# Altium PCB mantarray_beta2_sensor.PcbDoc (part 1 of 5) (continued)
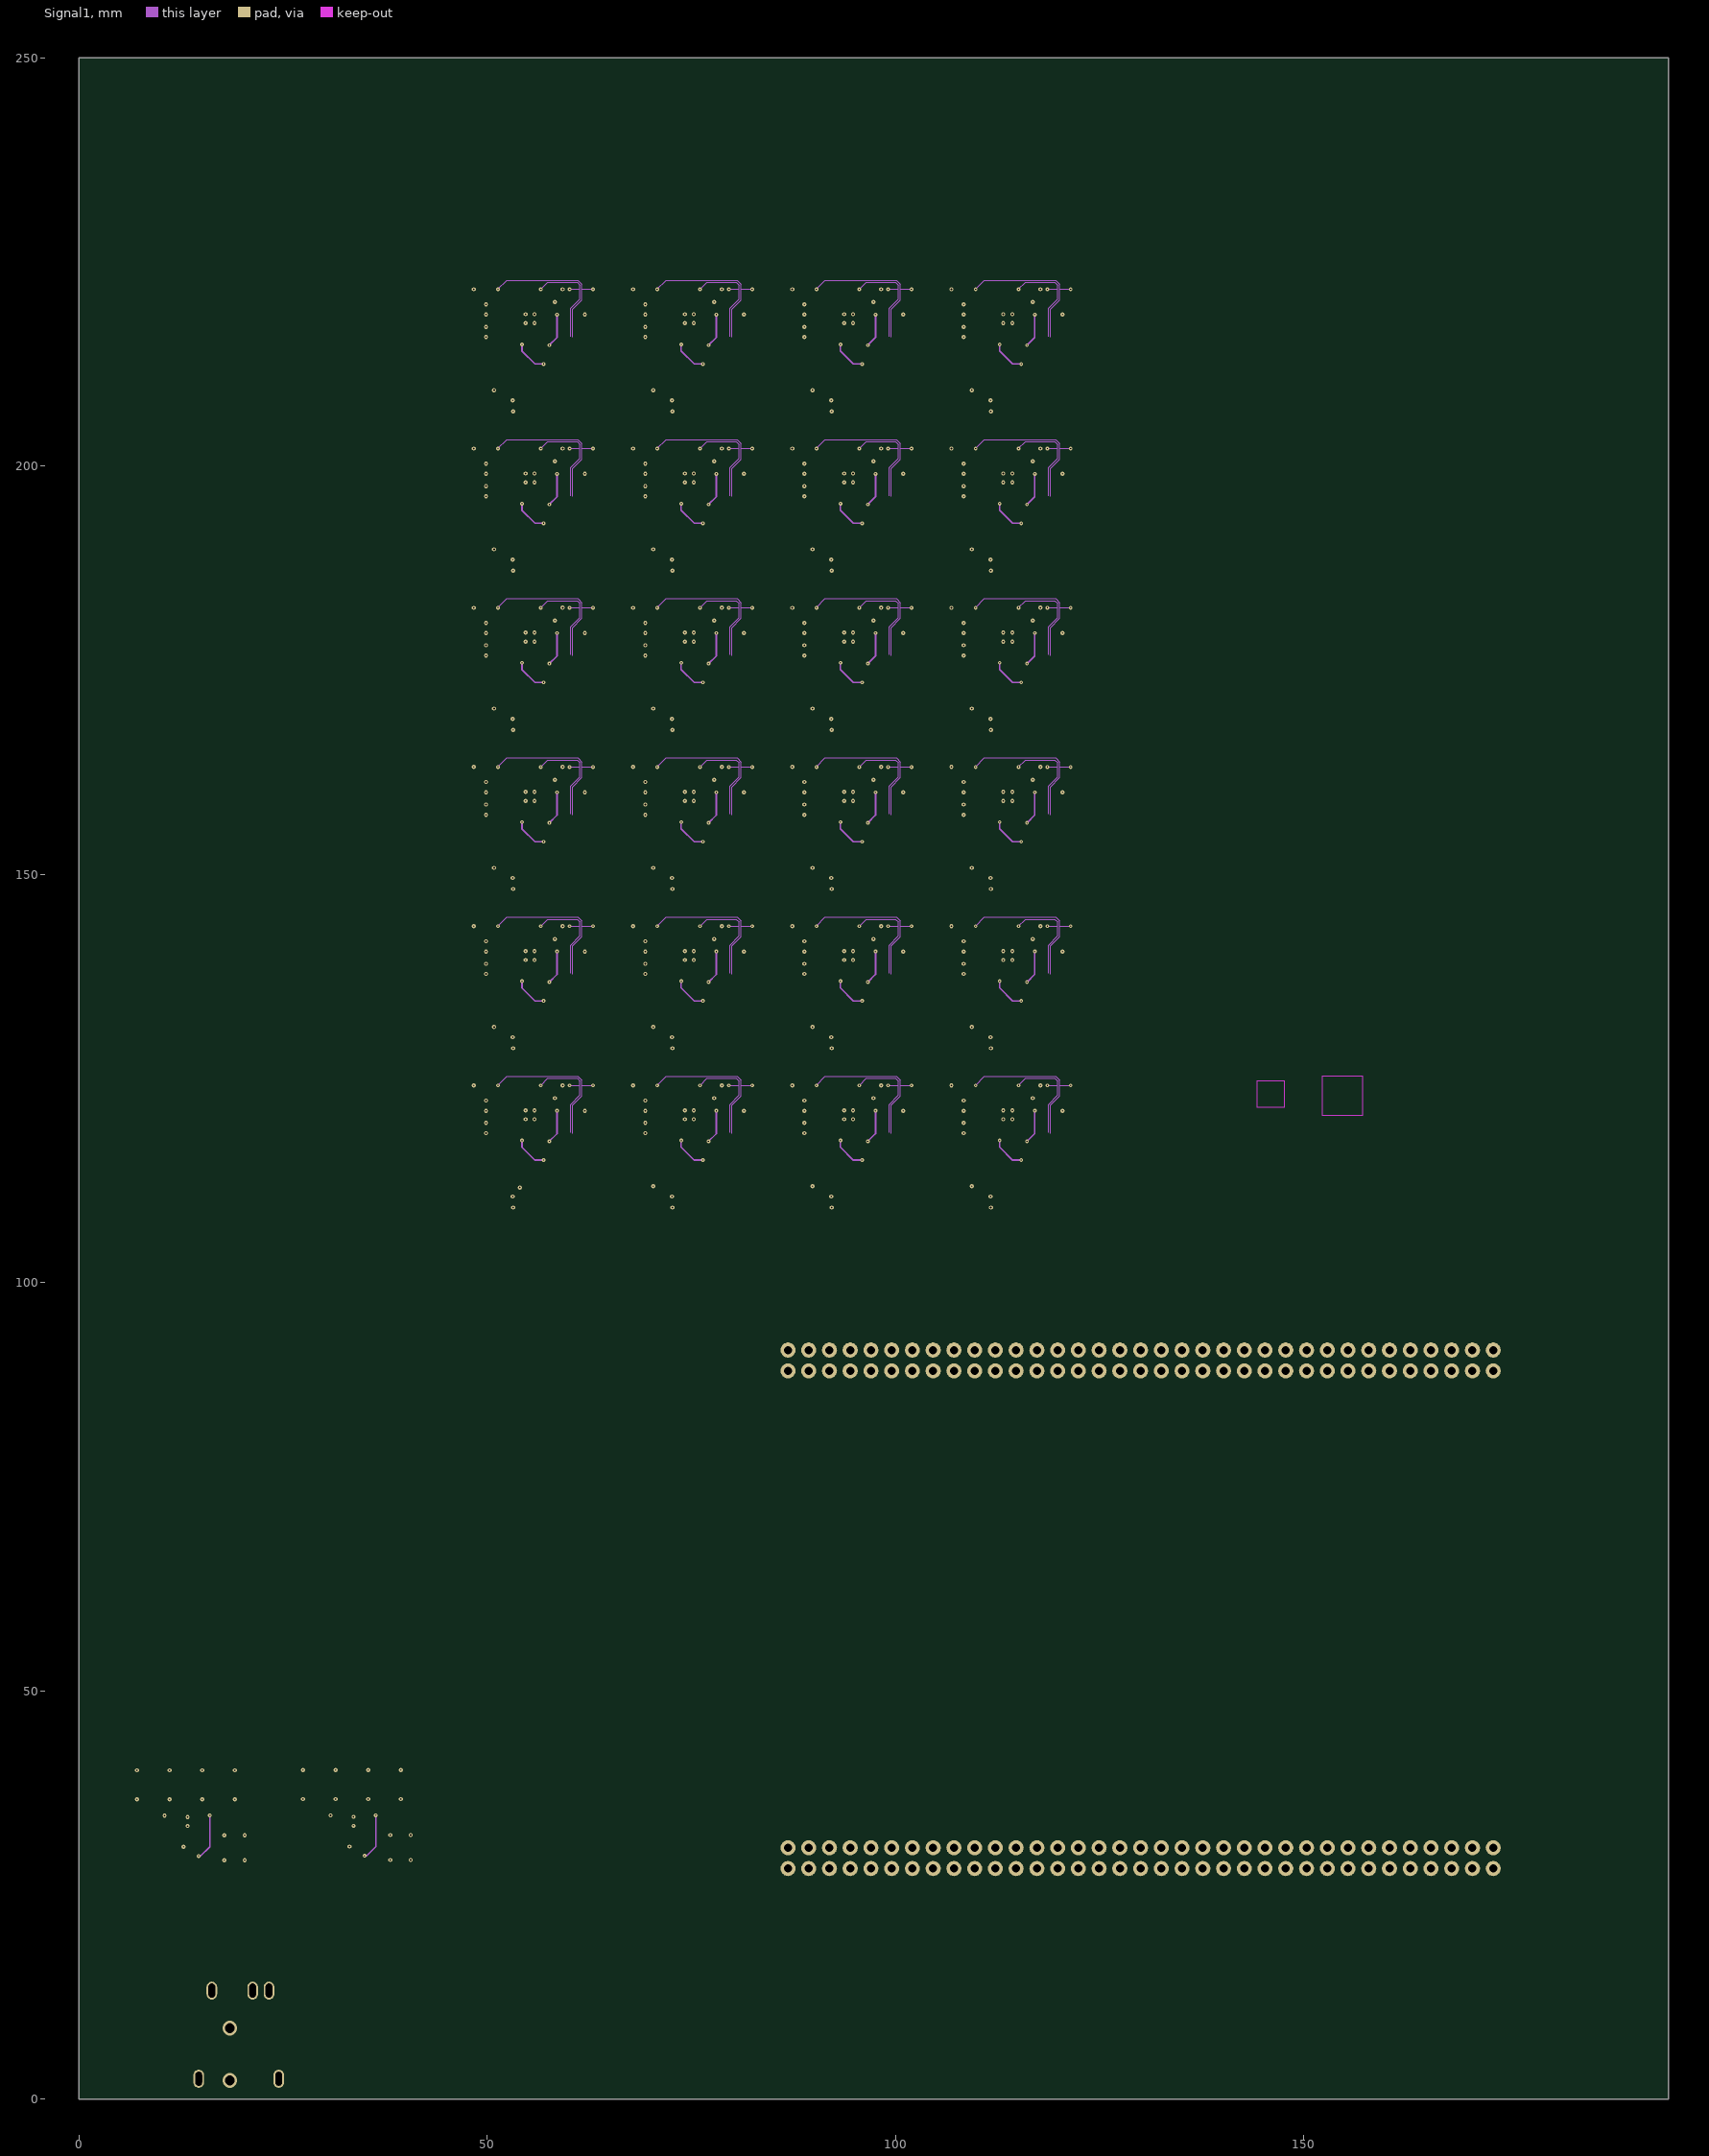
[diagram p3: Signal1]
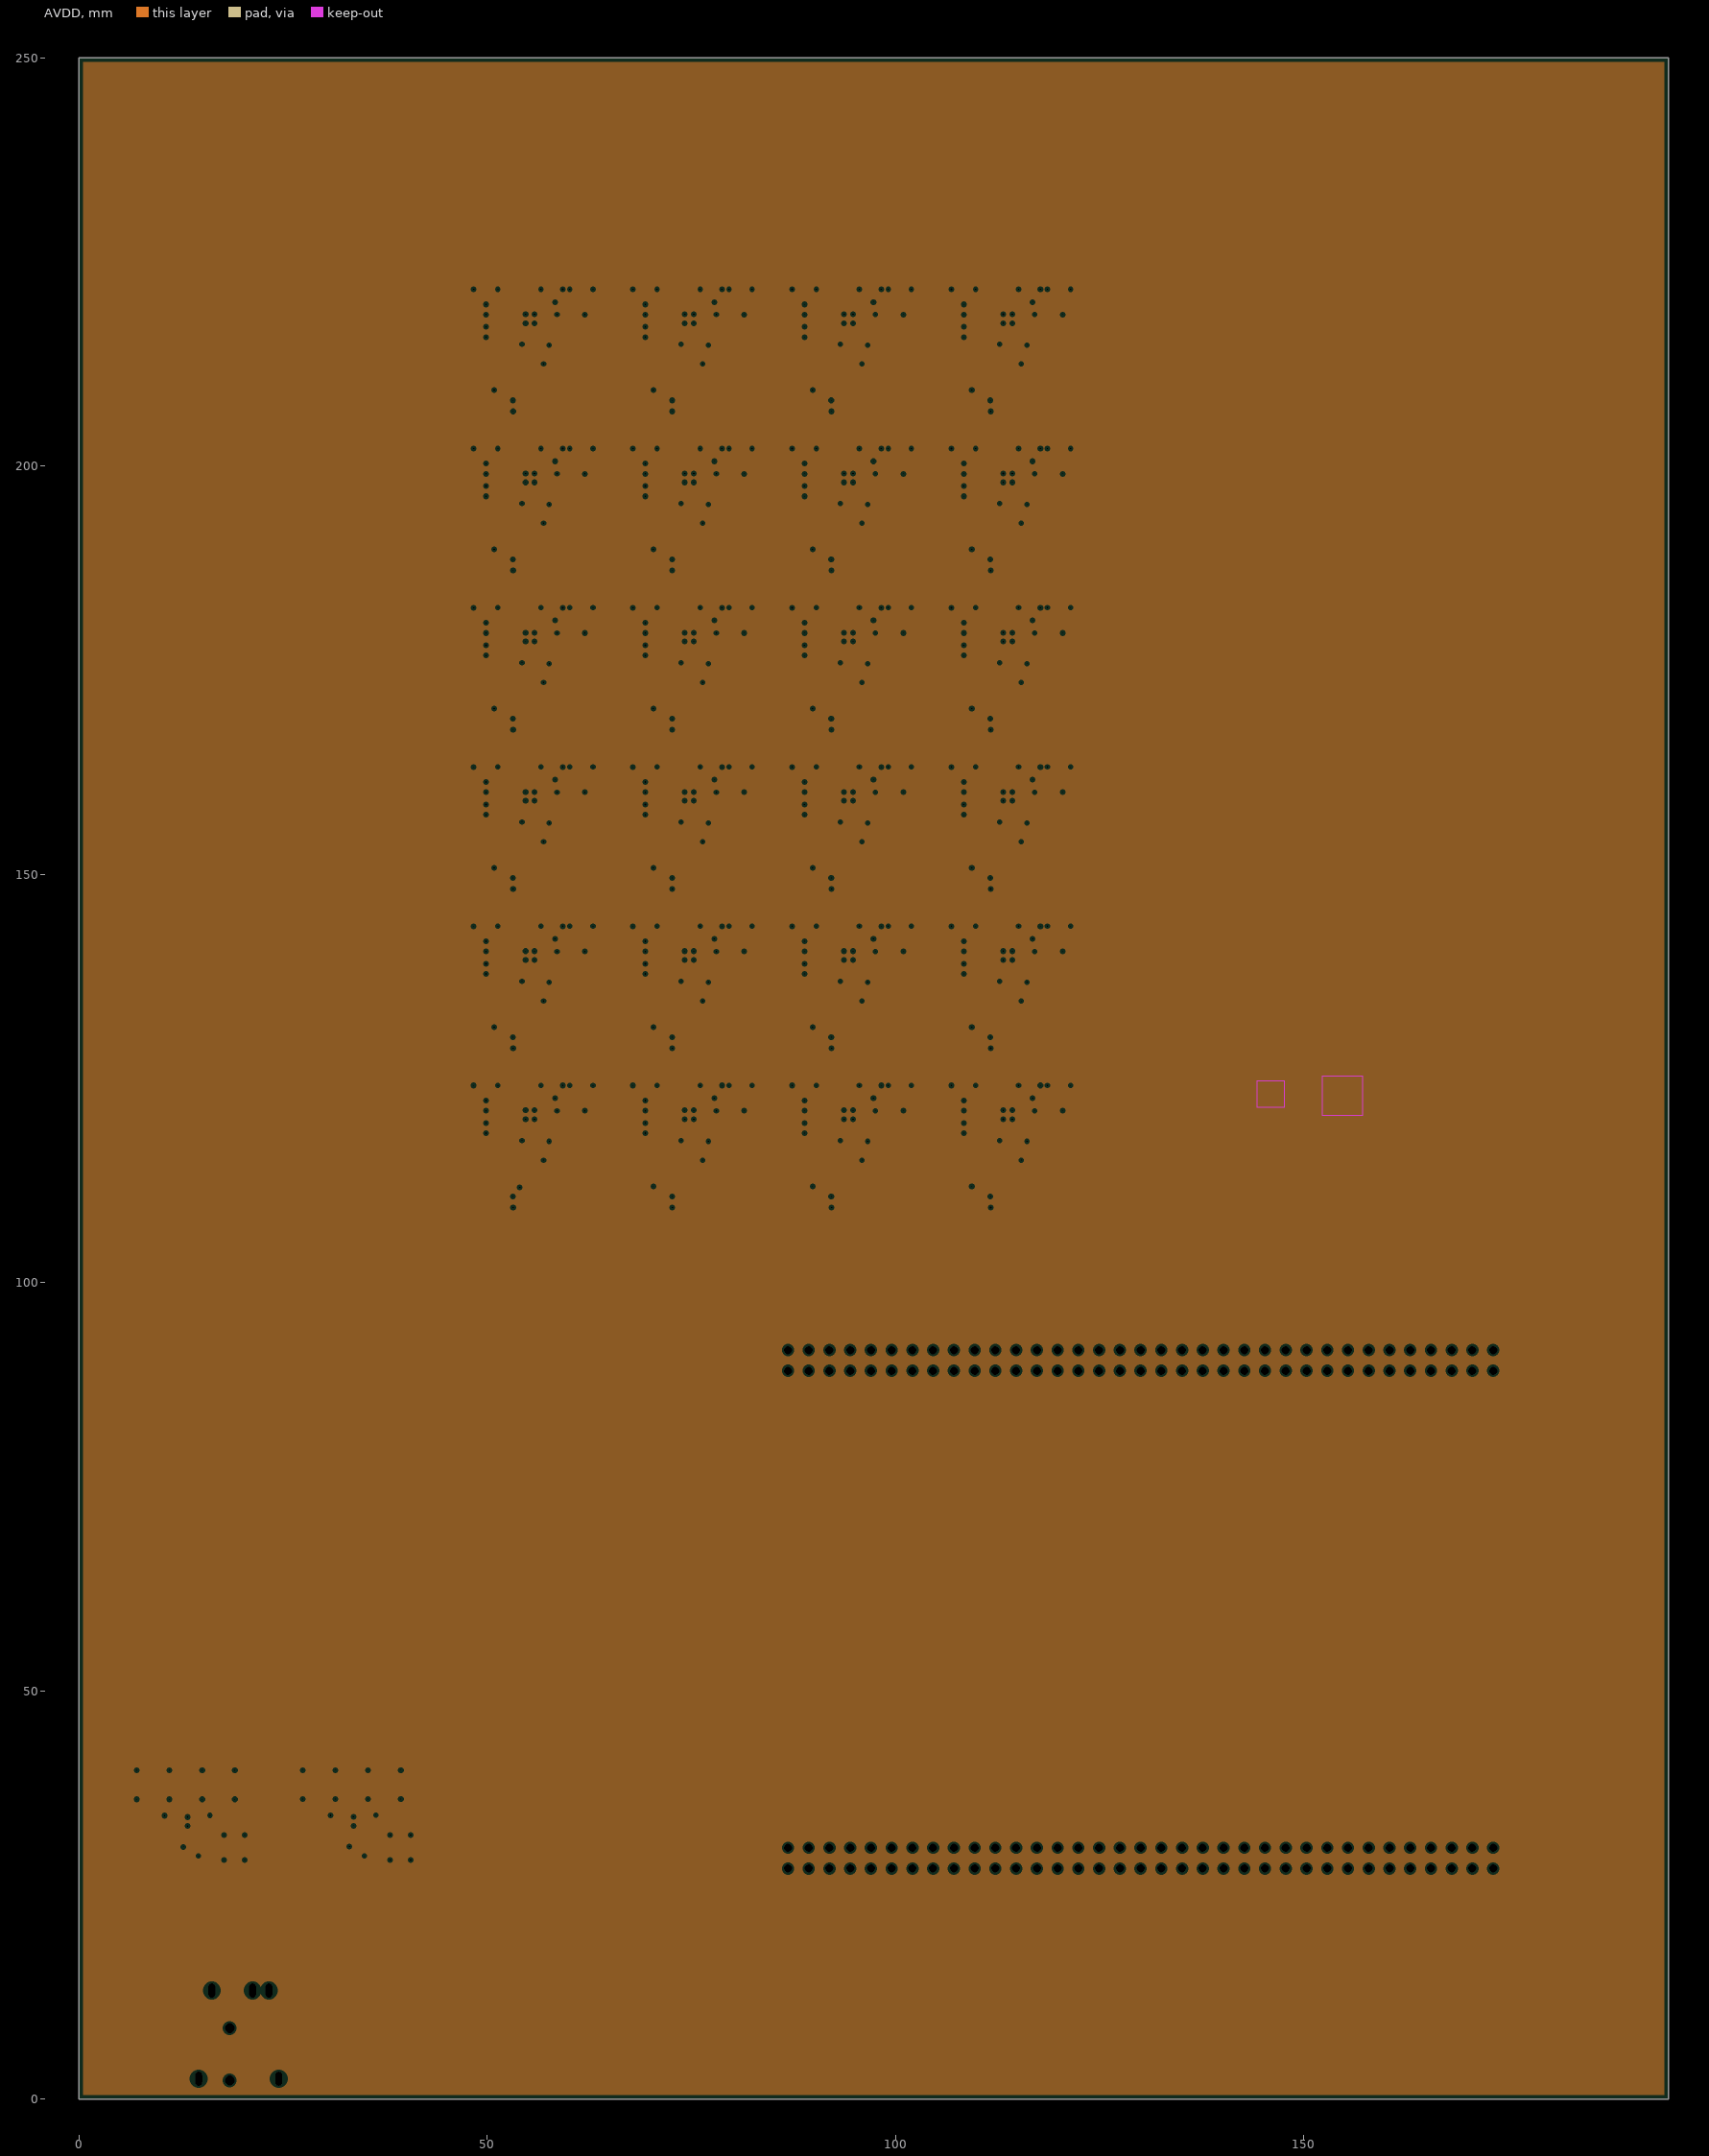
[diagram p4: AVDD, clearances drawn from the general rule]

## Layer stack, top to bottom
Top Solder: solder mask 0.0254, SM-001, Dk 4
Top Layer: signal copper 0.035
Dielectric 1: prepreg 0.0711, PP-006, Dk 4.1
Dielectric 2: prepreg 0.0711, PP-006, Dk 4.1
GND1: plane copper 0.035
Dielectric 3: core 0.4572, Core-035, Dk 4.7
Signal1: signal copper 0.035
Dielectric 4: prepreg 0.0711, PP-006, Dk 4.1
Dielectric 5: prepreg 0.0711, PP-006, Dk 4.1
Int3 (Sign): signal copper 0.035
Dielectric 6: core 0.4572, Core-035, Dk 4.7
AVDD: plane copper 0.035
Dielectric 7: prepreg 0.0711, PP-006, Dk 4.1
Dielectric 8: prepreg 0.0711, PP-006, Dk 4.1
Bottom Layer: signal copper 0.035
Bottom Solder: solder mask 0.0254, SM-001, Dk 4

## Board outline
0,0 194.65,0 194.65,250 0,250

## Design rules (kind name [scope] priority, off if disabled: settings)
Clearance "Clearance SPI CMOS" [InNetClass('SPI CMOS') vs InNetClass('SPI CMOS')] p1: gap=0.127 ignorepadtopadclearanceinfootprint=TRUE
Clearance [All] p2: gap=0.127 ignorepadtopadclearanceinfootprint=FALSE
DiffPairsRouting [All] p1: maxlimit=1.27 minlimit=0.127 mostfreqgap=0.127 toplayer_minwidth=0.127 toplayer_maxwidth=0.254 toplayer_prefwidth=0.127 midlayer1_minwidth=0.127 midlayer1_maxwidth=0.254 midlayer1_prefwidth=0.127 midlayer2_minwidth=0.127 midlayer2_maxwidth=0.254 midlayer2_prefwidth=0.127 bottomlayer_minwidth=0.127 bottomlayer_maxwidth=0.254 bottomlayer_prefwidth=0.127 maxuncoupledlength=25.4
HoleSize [All] p1: absolutevalues=TRUE maxlimit=5.08 minlimit=0.127 maxpercent=80.000 minpercent=20.000
MinimumAnnularRing [All] p1: minimumring=0.1
MinimumSolderMaskSliver SoldermaskSliver_pad [InPadClass('All Pads') vs InPadClass('All Pads')] p1: minsoldermaskwidth=0.025
MinimumSolderMaskSliver [All] p2: minsoldermaskwidth=0.025
PlaneClearance [All] p1: clearance=0.254
PlaneConnect [All] p1: planeconnectstyle=Direct reliefexpansion=0.508 reliefentries=4 reliefconductorwidth=0.254 reliefairgap=0.254
PolygonConnect PolygonConnect_1 [All vs IsNamedPolygon('GND_L01_P047')] p1: thpad.connectstyle=Direct thpad.reliefconductorwidth=0.254 thpad.reliefentries=4 thpad.polygonreliefangle="90 Angle" thpad.airgapwidth=0.254 smdpad.connectstyle=Direct smdpad.reliefconductorwidth=0.254 smdpad.reliefentries=4 smdpad.polygonreliefangle="90 Angle" smdpad.airgapwidth=0.254 via.connectstyle=Relief via.reliefconductorwidth=0.254 via.reliefentries=4 via.polygonreliefangle="90 Angle" via.airgapwidth=0.254
PolygonConnect [All] p2: connectstyle=Direct reliefconductorwidth=0.254 reliefentries=4 polygonreliefangle="90 Angle" airgapwidth=0.254
RoomDefinition CH17 [InComponentClass('CH17')] p1: confinementstyle=ConfineIn formatcopy=TRUE lockcomponents=FALSE outline 46,185.8 65.5,185.8 65.5,205.3 46,205.3
RoomDefinition CH18 [InComponentClass('CH18')] p2: confinementstyle=ConfineIn formatcopy=TRUE lockcomponents=FALSE outline 65.5,185.8 85,185.8 85,205.3 65.5,205.3
RoomDefinition CH19 [InComponentClass('CH19')] p3: confinementstyle=ConfineIn formatcopy=TRUE lockcomponents=FALSE outline 85,185.8 104.5,185.8 104.5,205.3 85,205.3
RoomDefinition CH20 [InComponentClass('CH20')] p4: confinementstyle=ConfineIn formatcopy=TRUE lockcomponents=FALSE outline 104.5,185.8 124,185.8 124,205.3 104.5,205.3
RoomDefinition STM32H745 [InComponentClass('STM32H745')] p5: confinementstyle=ConfineIn formatcopy=TRUE lockcomponents=FALSE outline 79.02,24.45 180.69,24.45 180.69,94.84 79.02,94.84
RoomDefinition CH24 [InComponentClass('CH24')] p6: confinementstyle=ConfineIn formatcopy=TRUE lockcomponents=FALSE outline 46,205.3 65.5,205.3 65.5,224.8 46,224.8
RoomDefinition CH23 [InComponentClass('CH23')] p7: confinementstyle=ConfineIn formatcopy=TRUE lockcomponents=FALSE outline 65.5,205.3 85,205.3 85,224.8 65.5,224.8
RoomDefinition CH22 [InComponentClass('CH22')] p8: confinementstyle=ConfineIn formatcopy=TRUE lockcomponents=FALSE outline 85,205.3 104.5,205.3 104.5,224.8 85,224.8
RoomDefinition CH21 [InComponentClass('CH21')] p9: confinementstyle=ConfineIn formatcopy=TRUE lockcomponents=FALSE outline 104.5,205.3 124,205.3 124,224.8 104.5,224.8
RoomDefinition CH16 [InComponentClass('CH16')] p10: confinementstyle=ConfineIn formatcopy=TRUE lockcomponents=FALSE outline 46,166.3 65.5,166.3 65.5,185.8 46,185.8
RoomDefinition CH15 [InComponentClass('CH15')] p11: confinementstyle=ConfineIn formatcopy=TRUE lockcomponents=FALSE outline 65.5,166.3 85,166.3 85,185.8 65.5,185.8
RoomDefinition CH14 [InComponentClass('CH14')] p12: confinementstyle=ConfineIn formatcopy=TRUE lockcomponents=FALSE outline 85,166.3 104.5,166.3 104.5,185.8 85,185.8
RoomDefinition CH13 [InComponentClass('CH13')] p13: confinementstyle=ConfineIn formatcopy=TRUE lockcomponents=FALSE outline 104.5,166.3 124,166.3 124,185.8 104.5,185.8
RoomDefinition CH12 [InComponentClass('CH12')] p14: confinementstyle=ConfineIn formatcopy=TRUE lockcomponents=FALSE outline 104.5,146.8 124,146.8 124,166.3 104.5,166.3
RoomDefinition CH11 [InComponentClass('CH11')] p15: confinementstyle=ConfineIn formatcopy=TRUE lockcomponents=FALSE outline 85,146.8 104.5,146.8 104.5,166.3 85,166.3
RoomDefinition CH10 [InComponentClass('CH10')] p16: confinementstyle=ConfineIn formatcopy=TRUE lockcomponents=FALSE outline 65.5,146.8 85,146.8 85,166.3 65.5,166.3
RoomDefinition CH9 [InComponentClass('CH9')] p17: confinementstyle=ConfineIn formatcopy=TRUE lockcomponents=FALSE outline 46,146.8 65.5,146.8 65.5,166.3 46,166.3
RoomDefinition CH8 [InComponentClass('CH8')] p18: confinementstyle=ConfineIn formatcopy=TRUE lockcomponents=FALSE outline 46,127.3 65.5,127.3 65.5,146.8 46,146.8
RoomDefinition CH7 [InComponentClass('CH7')] p19: confinementstyle=ConfineIn formatcopy=TRUE lockcomponents=FALSE outline 65.5,127.3 85,127.3 85,146.8 65.5,146.8
RoomDefinition CH6 [InComponentClass('CH6')] p20: confinementstyle=ConfineIn formatcopy=TRUE lockcomponents=FALSE outline 85,127.3 104.5,127.3 104.5,146.8 85,146.8
RoomDefinition CH5 [InComponentClass('CH5')] p21: confinementstyle=ConfineIn formatcopy=TRUE lockcomponents=FALSE outline 104.5,127.3 124,127.3 124,146.8 104.5,146.8
RoomDefinition CH4 [InComponentClass('CH4')] p22: confinementstyle=ConfineIn formatcopy=TRUE lockcomponents=FALSE outline 104.5,107.8 124,107.8 124,127.3 104.5,127.3
RoomDefinition CH3 [InComponentClass('CH3')] p23: confinementstyle=ConfineIn formatcopy=TRUE lockcomponents=FALSE outline 85,107.8 104.5,107.8 104.5,127.3 85,127.3
RoomDefinition CH2 [InComponentClass('CH2')] p24: confinementstyle=ConfineIn formatcopy=TRUE lockcomponents=FALSE outline 65.5,107.8 85,107.8 85,127.3 65.5,127.3
RoomDefinition CH1 [InComponentClass('CH1')] p25: confinementstyle=ConfineIn formatcopy=TRUE lockcomponents=FALSE outline 46,107.8 65.5,107.8 65.5,127.3 46,127.3
RoomDefinition AVDD [InComponentClass('AVDD')] p26: confinementstyle=ConfineIn formatcopy=TRUE lockcomponents=FALSE outline 24.925,27.7 42.225,27.7 42.225,41.55 24.925,41.55
RoomDefinition DVDD [InComponentClass('DVDD')] p27: confinementstyle=ConfineIn formatcopy=TRUE lockcomponents=FALSE outline 4.599,27.675 21.899,27.675 21.899,41.525 4.599,41.525
RoutingVias PowerVias [InNetClass('POWER')] p1: holewidth=0.203 width=0.508 viastyle="Through Hole" minholewidth=0.203 minwidth=0.508 maxholewidth=0.203 maxwidth=1.27
RoutingVias [All] p2: holewidth=0.127 width=0.457 viastyle="Through Hole" minholewidth=0.127 minwidth=0.457 maxholewidth=0.5 maxwidth=1
SilkToSolderMaskClearance [IsPad] p1: minsilkscreentomaskgap=0.127 clearancetoexposedcopper=TRUE
SolderMaskExpansion [All] p1: expansion=0.127 istentingtop=FALSE
Width [All] p1: maxlimit=2 minlimit=0.127 preferedwidth=0.127
Width "SPI routing" [InNetClass('SPI CMOS')] p2: maxlimit=0.127 minlimit=0.127 preferedwidth=0.127
Width "Power width" [InNetClass('POWER')] p3: maxlimit=1.016 minlimit=0.203 preferedwidth=0.203
23 further rules are at their usual default settings.

## Classes and differential pairs
component class STM32H745: CN0 CN1 CN? HW? SB?
component class CH24: C1_CH24 C2_CH24 C3_CH24 C4_CH24 C5_CH24 C6_CH24 C7_CH24 C8_CH24 D1_CH24 L1_CH24 R1_CH24 R2_CH24 R3_CH24 R4_CH24 R5_CH24 R7_CH24 R8_CH24 R9_CH24 U1_CH24 U3_CH24
component class CH23: C1_CH23 C2_CH23 C3_CH23 C4_CH23 C5_CH23 C6_CH23 C7_CH23 C8_CH23 D1_CH23 L1_CH23 R1_CH23 R2_CH23 R3_CH23 R4_CH23 R5_CH23 R7_CH23 R8_CH23 R9_CH23 U1_CH23 U3_CH23
component class CH22: C1_CH22 C2_CH22 C3_CH22 C4_CH22 C5_CH22 C6_CH22 C7_CH22 C8_CH22 D1_CH22 L1_CH22 R1_CH22 R2_CH22 R3_CH22 R4_CH22 R5_CH22 R7_CH22 R8_CH22 R9_CH22 U1_CH22 U3_CH22
component class CH21: C1_CH21 C2_CH21 C3_CH21 C4_CH21 C5_CH21 C6_CH21 C7_CH21 C8_CH21 D1_CH21 L1_CH21 R1_CH21 R2_CH21 R3_CH21 R4_CH21 R5_CH21 R7_CH21 R8_CH21 R9_CH21 U1_CH21 U3_CH21
component class CH20: C1_CH20 C2_CH20 C3_CH20 C4_CH20 C5_CH20 C6_CH20 C7_CH20 C8_CH20 D1_CH20 L1_CH20 R1_CH20 R2_CH20 R3_CH20 R4_CH20 R5_CH20 R7_CH20 R8_CH20 R9_CH20 U1_CH20 U3_CH20
component class CH19: C1_CH19 C2_CH19 C3_CH19 C4_CH19 C5_CH19 C6_CH19 C7_CH19 C8_CH19 D1_CH19 L1_CH19 R1_CH19 R2_CH19 R3_CH19 R4_CH19 R5_CH19 R7_CH19 R8_CH19 R9_CH19 U1_CH19 U3_CH19
component class CH18: C1_CH18 C2_CH18 C3_CH18 C4_CH18 C5_CH18 C6_CH18 C7_CH18 C8_CH18 D1_CH18 L1_CH18 R1_CH18 R2_CH18 R3_CH18 R4_CH18 R5_CH18 R7_CH18 R8_CH18 R9_CH18 U1_CH18 U3_CH18
component class CH17: C1_CH17 C2_CH17 C3_CH17 C4_CH17 C5_CH17 C6_CH17 C7_CH17 C8_CH17 D1_CH17 L1_CH17 R1_CH17 R2_CH17 R3_CH17 R4_CH17 R5_CH17 R7_CH17 R8_CH17 R9_CH17 U1_CH17 U3_CH17
component class CH16: C1_CH16 C2_CH16 C3_CH16 C4_CH16 C5_CH16 C6_CH16 C7_CH16 C8_CH16 D1_CH16 L1_CH16 R1_CH16 R2_CH16 R3_CH16 R4_CH16 R5_CH16 R7_CH16 R8_CH16 R9_CH16 U1_CH16 U3_CH16
component class CH15: C1_CH15 C2_CH15 C3_CH15 C4_CH15 C5_CH15 C6_CH15 C7_CH15 C8_CH15 D1_CH15 L1_CH15 R1_CH15 R2_CH15 R3_CH15 R4_CH15 R5_CH15 R7_CH15 R8_CH15 R9_CH15 U1_CH15 U3_CH15
component class CH14: C1_CH14 C2_CH14 C3_CH14 C4_CH14 C5_CH14 C6_CH14 C7_CH14 C8_CH14 D1_CH14 L1_CH14 R1_CH14 R2_CH14 R3_CH14 R4_CH14 R5_CH14 R7_CH14 R8_CH14 R9_CH14 U1_CH14 U3_CH14
component class CH13: C1_CH13 C2_CH13 C3_CH13 C4_CH13 C5_CH13 C6_CH13 C7_CH13 C8_CH13 D1_CH13 L1_CH13 R1_CH13 R2_CH13 R3_CH13 R4_CH13 R5_CH13 R7_CH13 R8_CH13 R9_CH13 U1_CH13 U3_CH13
component class CH12: C1_CH12 C2_CH12 C3_CH12 C4_CH12 C5_CH12 C6_CH12 C7_CH12 C8_CH12 D1_CH12 L1_CH12 R1_CH12 R2_CH12 R3_CH12 R4_CH12 R5_CH12 R7_CH12 R8_CH12 R9_CH12 U1_CH12 U3_CH12
component class CH11: C1_CH11 C2_CH11 C3_CH11 C4_CH11 C5_CH11 C6_CH11 C7_CH11 C8_CH11 D1_CH11 L1_CH11 R1_CH11 R2_CH11 R3_CH11 R4_CH11 R5_CH11 R7_CH11 R8_CH11 R9_CH11 U1_CH11 U3_CH11
component class CH10: C1_CH10 C2_CH10 C3_CH10 C4_CH10 C5_CH10 C6_CH10 C7_CH10 C8_CH10 D1_CH10 L1_CH10 R1_CH10 R2_CH10 R3_CH10 R4_CH10 R5_CH10 R7_CH10 R8_CH10 R9_CH10 U1_CH10 U3_CH10
component class CH9: C1_CH9 C2_CH9 C3_CH9 C4_CH9 C5_CH9 C6_CH9 C7_CH9 C8_CH9 D1_CH9 L1_CH9 R1_CH9 R2_CH9 R3_CH9 R4_CH9 R5_CH9 R7_CH9 R8_CH9 R9_CH9 U1_CH9 U3_CH9
component class CH8: C1_CH8 C2_CH8 C3_CH8 C4_CH8 C5_CH8 C6_CH8 C7_CH8 C8_CH8 D1_CH8 L1_CH8 R1_CH8 R2_CH8 R3_CH8 R4_CH8 R5_CH8 R7_CH8 R8_CH8 R9_CH8 U1_CH8 U3_CH8
component class CH7: C1_CH7 C2_CH7 C3_CH7 C4_CH7 C5_CH7 C6_CH7 C7_CH7 C8_CH7 D1_CH7 L1_CH7 R1_CH7 R2_CH7 R3_CH7 R4_CH7 R5_CH7 R7_CH7 R8_CH7 R9_CH7 U1_CH7 U3_CH7
component class CH6: C1_CH6 C2_CH6 C3_CH6 C4_CH6 C5_CH6 C6_CH6 C7_CH6 C8_CH6 D1_CH6 L1_CH6 R1_CH6 R2_CH6 R3_CH6 R4_CH6 R5_CH6 R7_CH6 R8_CH6 R9_CH6 U1_CH6 U3_CH6
component class CH5: C1_CH5 C2_CH5 C3_CH5 C4_CH5 C5_CH5 C6_CH5 C7_CH5 C8_CH5 D1_CH5 L1_CH5 R1_CH5 R2_CH5 R3_CH5 R4_CH5 R5_CH5 R7_CH5 R8_CH5 R9_CH5 U1_CH5 U3_CH5
component class CH4: C1_CH4 C2_CH4 C3_CH4 C4_CH4 C5_CH4 C6_CH4 C7_CH4 C8_CH4 D1_CH4 L1_CH4 R1_CH4 R2_CH4 R3_CH4 R4_CH4 R5_CH4 R7_CH4 R8_CH4 R9_CH4 U1_CH4 U3_CH4
component class CH3: C1_CH3 C2_CH3 C3_CH3 C4_CH3 C5_CH3 C6_CH3 C7_CH3 C8_CH3 D1_CH3 L1_CH3 R1_CH3 R2_CH3 R3_CH3 R4_CH3 R5_CH3 R7_CH3 R8_CH3 R9_CH3 U1_CH3 U3_CH3
channel class Channel: CH1 CH2 CH3 CH4 CH5 CH6 CH7 CH8 CH9 CH10 CH11 CH12 CH13 CH14 CH15 CH16 CH17 CH18 CH19 CH20 CH21 CH22 CH23 CH24
component class CH2: C1_CH2 C2_CH2 C3_CH2 C4_CH2 C5_CH2 C6_CH2 C7_CH2 C8_CH2 D1_CH2 L1_CH2 R1_CH2 R2_CH2 R3_CH2 R4_CH2 R5_CH2 R7_CH2 R8_CH2 R9_CH2 U1_CH2 U3_CH2
component class CH1: C1_CH1 C2_CH1 C3_CH1 C4_CH1 C5_CH1 C6_CH1 C7_CH1 C8_CH1 D1_CH1 L1_CH1 R1_CH1 R2_CH1 R3_CH1 R4_CH1 R5_CH1 R7_CH1 R8_CH1 R9_CH1 U1_CH1 U3_CH1U3_CH1
channel class ADP1706_3p3: AVDD DVDD
component class DVDD: C71_DVDD C72_DVDD C73_DVDD U14_DVDD
component class AVDD: C71_AVDD C72_AVDD C73_AVDD U14_AVDD
component class mantarray_beta2_sensor: J1
net class Power: DVDD
differential pair sd_adc1_in_CH24: +sd_adc1_in_CH24_P -sd_adc1_in_CH24_N
differential pair sd_adc1_in_CH23: +sd_adc1_in_CH23_P -sd_adc1_in_CH23_N
differential pair sd_adc1_in_CH22: +sd_adc1_in_CH22_P -sd_adc1_in_CH22_N
differential pair sd_adc1_in_CH21: +sd_adc1_in_CH21_P -sd_adc1_in_CH21_N
differential pair sd_adc1_in_CH20: +sd_adc1_in_CH20_P -sd_adc1_in_CH20_N
differential pair sd_adc1_in_CH19: +sd_adc1_in_CH19_P -sd_adc1_in_CH19_N
differential pair sd_adc1_in_CH18: +sd_adc1_in_CH18_P -sd_adc1_in_CH18_N
differential pair sd_adc1_in_CH17: +sd_adc1_in_CH17_P -sd_adc1_in_CH17_N
differential pair sd_adc1_in_CH16: +sd_adc1_in_CH16_P -sd_adc1_in_CH16_N
differential pair sd_adc1_in_CH15: +sd_adc1_in_CH15_P -sd_adc1_in_CH15_N
differential pair sd_adc1_in_CH14: +sd_adc1_in_CH14_P -sd_adc1_in_CH14_N
differential pair sd_adc1_in_CH13: +sd_adc1_in_CH13_P -sd_adc1_in_CH13_N
differential pair sd_adc1_in_CH12: +sd_adc1_in_CH12_P -sd_adc1_in_CH12_N
differential pair sd_adc1_in_CH11: +sd_adc1_in_CH11_P -sd_adc1_in_CH11_N
differential pair sd_adc1_in_CH10: +sd_adc1_in_CH10_P -sd_adc1_in_CH10_N
differential pair sd_adc1_in_CH9: +sd_adc1_in_CH9_P -sd_adc1_in_CH9_N
differential pair sd_adc1_in_CH8: +sd_adc1_in_CH8_P -sd_adc1_in_CH8_N
differential pair sd_adc1_in_CH7: +sd_adc1_in_CH7_P -sd_adc1_in_CH7_N
differential pair sd_adc1_in_CH6: +sd_adc1_in_CH6_P -sd_adc1_in_CH6_N
differential pair sd_adc1_in_CH5: +sd_adc1_in_CH5_P -sd_adc1_in_CH5_N
differential pair sd_adc1_in_CH4: +sd_adc1_in_CH4_P -sd_adc1_in_CH4_N
differential pair sd_adc1_in_CH3: +sd_adc1_in_CH3_P -sd_adc1_in_CH3_N
differential pair sd_adc1_in_CH2: +sd_adc1_in_CH2_P -sd_adc1_in_CH2_N
differential pair sd_adc1_in_CH1: +sd_adc1_in_CH1_P -sd_adc1_in_CH1_N
